# KiCad board 0xcb-static.kicad_pcb
title: Static; date: 2021-05-27; rev: 1.0; company: 0xCB; note: Conor Burns
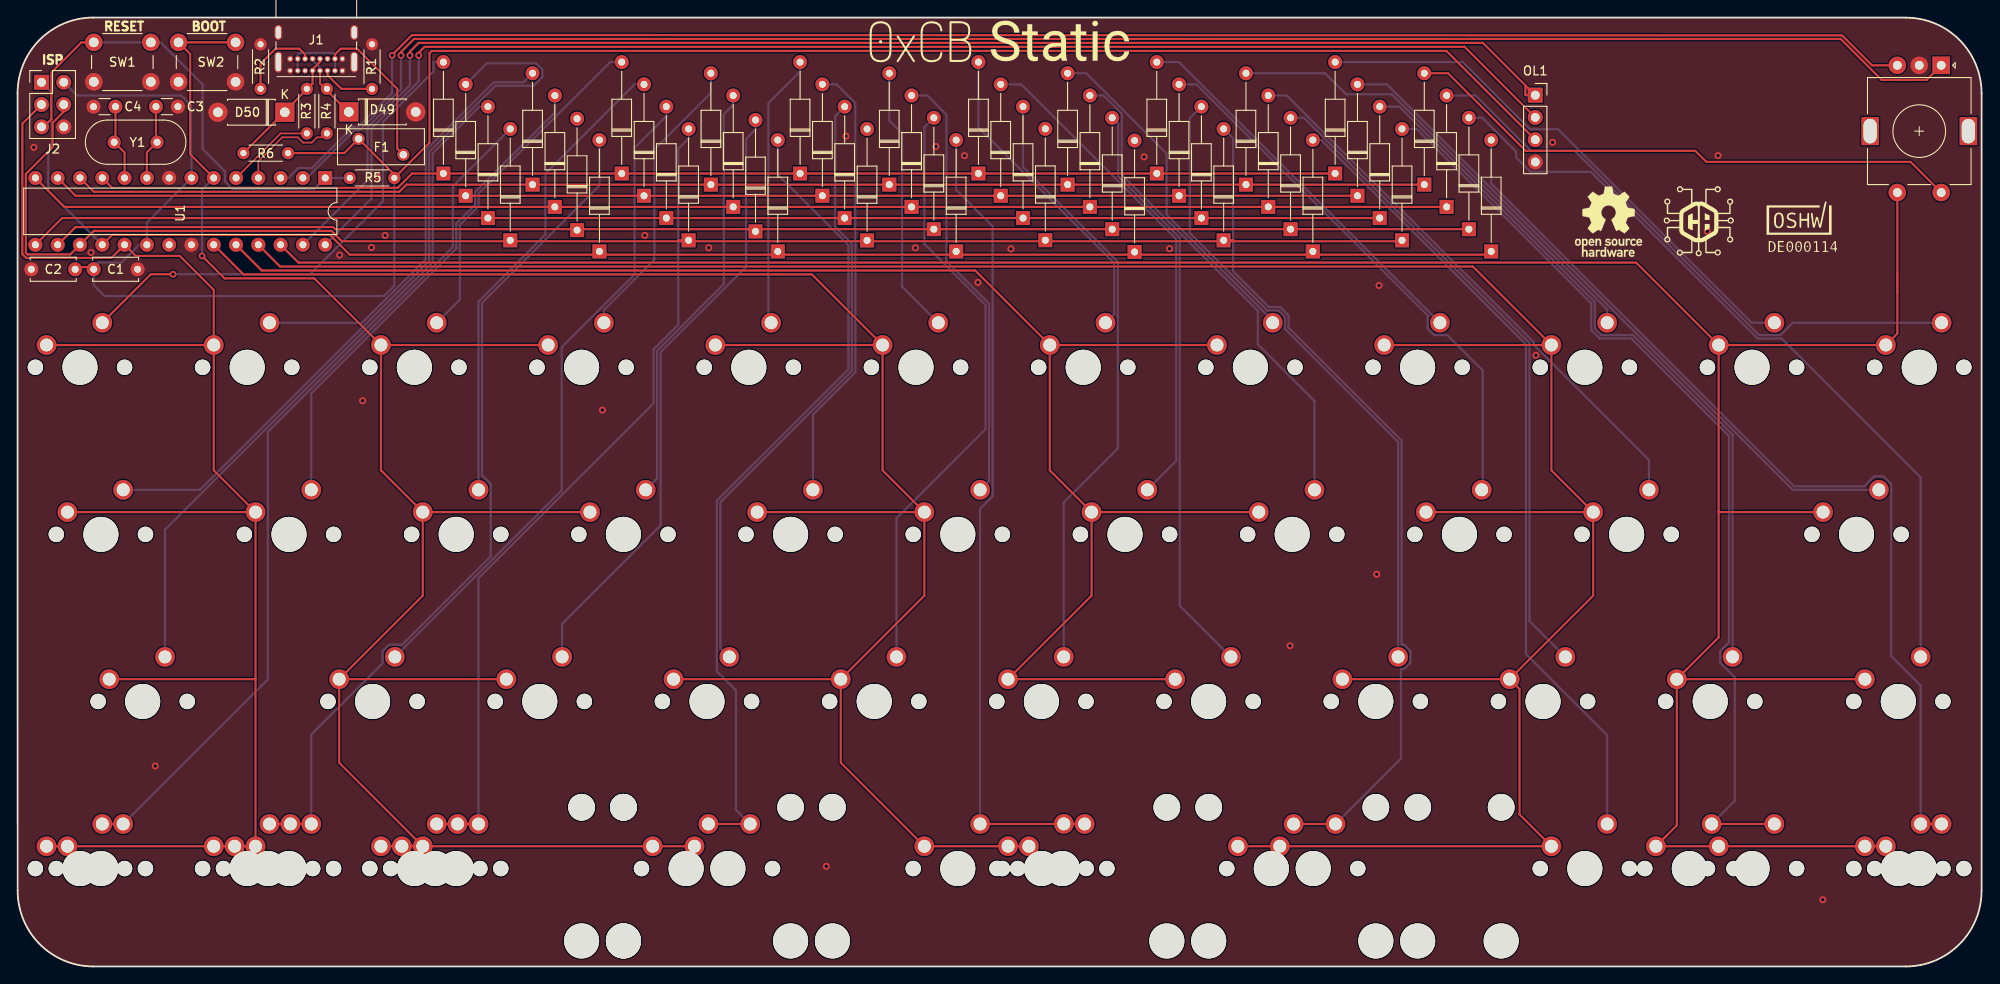
[diagram p0: board, top side]
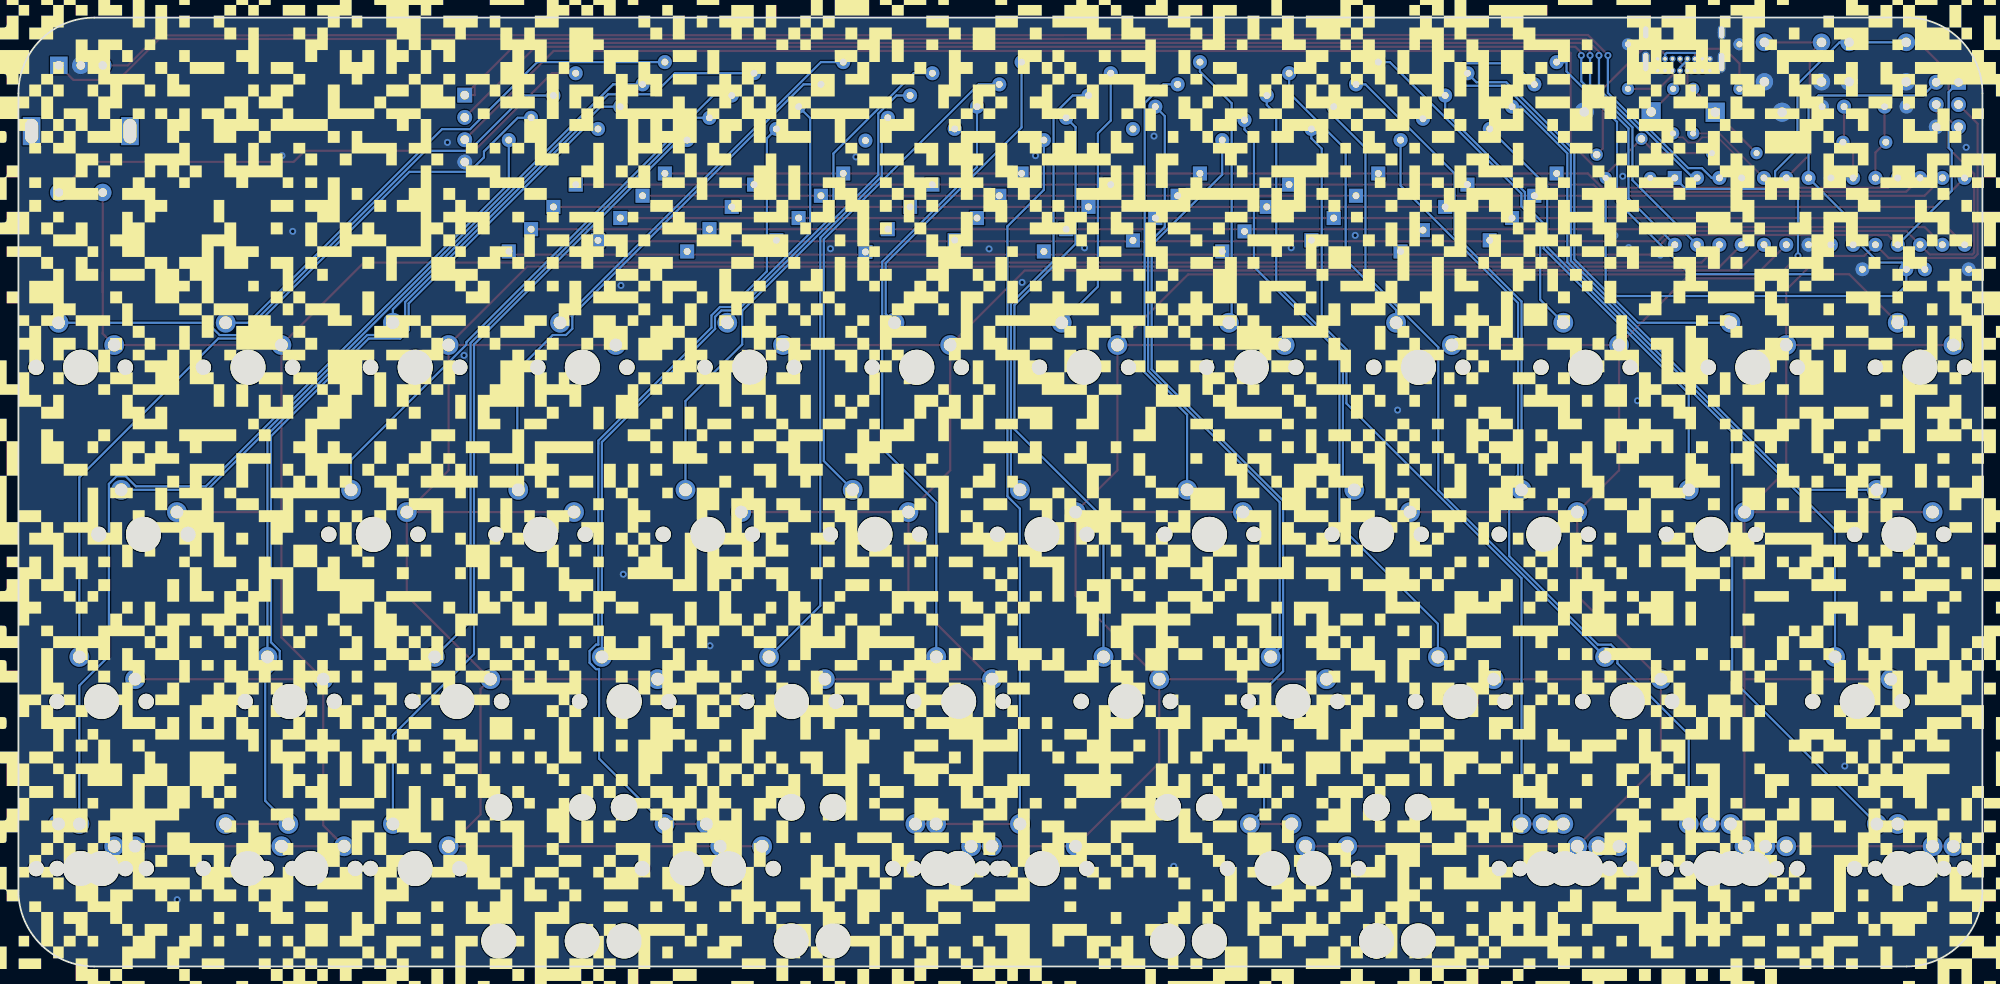
[diagram p1: board, bottom side, seen from below]

Outline 223.76 x 108.19 mm; copper layers: Top, Bottom. Coordinates in mm from the lower left corner of the outline.
Outline path: 0,99.56 arc(2.53,105.66) 8.64,108.19 215.13,108.18 arc(221.23,105.65) 223.76,99.55 223.76,8.64 arc(221.23,2.53) 215.13,0 8.65,0 arc(2.54,2.53) 0.01,8.64 0,99.56
Stack: Top 0.035mm / dielectric 1.51mm FR4 er 4.5 / Bottom 0.035mm

## Placement (name value [footprint] x y rotation side)
C1  0.1uF  [C_Disc_D5.0mm_W2.5mm_P5.00mm]  8.68 79.49 0 top
C2  0.1uF  [C_Disc_D5.0mm_W2.5mm_P5.00mm]  6.56 79.49 180 top
C3  20pF  [C_Disc_D3.0mm_W1.6mm_P2.50mm]  18.27 98.03 180 top
C4  20pF  [C_Disc_D3.0mm_W1.6mm_P2.50mm]  8.66 98.03 0 top
D1  1N4148  [D_DO-35_SOD27_P12.70mm_Horizontal]  48.51 90.41 90 top
D2  1N4148  [D_DO-35_SOD27_P12.70mm_Horizontal]  58.67 89.14 90 top
D3  1N4148  [D_DO-35_SOD27_P12.70mm_Horizontal]  68.83 90.41 90 top
D4  1N4148  [D_DO-35_SOD27_P12.70mm_Horizontal]  78.99 89.14 90 top
D5  1N4148  [D_DO-35_SOD27_P12.70mm_Horizontal]  89.15 90.41 90 top
D6  1N4148  [D_DO-35_SOD27_P12.70mm_Horizontal]  99.31 89.14 90 top
D7  1N4148  [D_DO-35_SOD27_P12.70mm_Horizontal]  109.47 90.41 90 top
D8  1N4148  [D_DO-35_SOD27_P12.70mm_Horizontal]  119.63 89.14 90 top
D9  1N4148  [D_DO-35_SOD27_P12.70mm_Horizontal]  129.79 90.41 90 top
D10  1N4148  [D_DO-35_SOD27_P12.70mm_Horizontal]  139.95 89.14 90 top
D11  1N4148  [D_DO-35_SOD27_P12.70mm_Horizontal]  150.11 90.41 90 top
D12  1N4148  [D_DO-35_SOD27_P12.70mm_Horizontal]  160.27 89.14 90 top
D13  1N4148  [D_DO-35_SOD27_P12.70mm_Horizontal]  51.05 87.87 90 top
D14  1N4148  [D_DO-35_SOD27_P12.70mm_Horizontal]  61.21 86.6 90 top
D15  1N4148  [D_DO-35_SOD27_P12.70mm_Horizontal]  71.37 87.87 90 top
D16  1N4148  [D_DO-35_SOD27_P12.70mm_Horizontal]  81.53 86.6 90 top
D17  1N4148  [D_DO-35_SOD27_P12.70mm_Horizontal]  91.69 87.87 90 top
D18  1N4148  [D_DO-35_SOD27_P12.70mm_Horizontal]  101.85 86.6 90 top
D19  1N4148  [D_DO-35_SOD27_P12.70mm_Horizontal]  112.01 87.87 90 top
D20  1N4148  [D_DO-35_SOD27_P12.70mm_Horizontal]  122.17 86.6 90 top
D21  1N4148  [D_DO-35_SOD27_P12.70mm_Horizontal]  132.33 87.87 90 top
D22  1N4148  [D_DO-35_SOD27_P12.70mm_Horizontal]  142.49 86.6 90 top
D23  1N4148  [D_DO-35_SOD27_P12.70mm_Horizontal]  152.65 87.87 90 top
D24  1N4148  [D_DO-35_SOD27_P12.70mm_Horizontal]  162.81 86.6 90 top
D25  1N4148  [D_DO-35_SOD27_P12.70mm_Horizontal]  53.59 85.33 90 top
D26  1N4148  [D_DO-35_SOD27_P12.70mm_Horizontal]  63.74 83.96 90 top
D27  1N4148  [D_DO-35_SOD27_P12.70mm_Horizontal]  73.91 85.33 90 top
D28  1N4148  [D_DO-35_SOD27_P12.70mm_Horizontal]  84.07 83.81 90 top
D29  1N4148  [D_DO-35_SOD27_P12.70mm_Horizontal]  94.23 85.33 90 top
D30  1N4148  [D_DO-35_SOD27_P12.70mm_Horizontal]  104.39 84.06 90 top
D31  1N4148  [D_DO-35_SOD27_P12.70mm_Horizontal]  114.55 85.33 90 top
D32  1N4148  [D_DO-35_SOD27_P12.70mm_Horizontal]  124.71 84.06 90 top
D33  1N4148  [D_DO-35_SOD27_P12.70mm_Horizontal]  134.87 85.33 90 top
D34  1N4148  [D_DO-35_SOD27_P12.70mm_Horizontal]  145.03 84.06 90 top
D35  1N4148  [D_DO-35_SOD27_P12.70mm_Horizontal]  155.19 85.33 90 top
D36  1N4148  [D_DO-35_SOD27_P12.70mm_Horizontal]  165.35 84.06 90 top
D37  1N4148  [D_DO-35_SOD27_P12.70mm_Horizontal]  56.13 82.79 90 top
D38  1N4148  [D_DO-35_SOD27_P12.70mm_Horizontal]  66.29 81.52 90 top
D39  1N4148  [D_DO-35_SOD27_P12.70mm_Horizontal]  76.45 82.79 90 top
D40  1N4148  [D_DO-35_SOD27_P12.70mm_Horizontal]  86.61 81.52 90 top
D41  1N4148  [D_DO-35_SOD27_P12.70mm_Horizontal]  96.78 82.79 90 top
D42  1N4148  [D_DO-35_SOD27_P12.70mm_Horizontal]  106.93 81.52 90 top
D43  1N4148  [D_DO-35_SOD27_P12.70mm_Horizontal]  117.09 82.81 90 top
D44  1N4148  [D_DO-35_SOD27_P12.70mm_Horizontal]  127.26 81.47 90 top
D45  1N4148  [D_DO-35_SOD27_P12.70mm_Horizontal]  137.41 82.79 90 top
D46  1N4148  [D_DO-35_SOD27_P12.70mm_Horizontal]  147.57 81.52 90 top
D47  1N4148  [D_DO-35_SOD27_P12.70mm_Horizontal]  157.73 82.79 90 top
D48  1N4148  [D_DO-35_SOD27_P12.70mm_Horizontal]  167.89 81.52 90 top
D49  1N4729  [D_DO-41_SOD81_P7.62mm_Horizontal]  37.74 97.44 0 top
D50  1N4729  [D_DO-41_SOD81_P7.62mm_Horizontal]  30.44 97.4 180 top
F1  500mA  [Fuse_BelFuse_0ZRE0025FF_L9.6mm_W3.8mm]  43.95 92.56 180 top
G***  LOGO  [oshwa]  202.97 84.32 0 top
J1  USB_C_Receptacle_USB2.0  [USB_C_Receptacle_GCT_USB4085]  37.01 102.14 180 top
J2  AVR-ISP-6  [PinHeader_2x03_P2.54mm_Vertical]  2.73 100.81 0 top
L1  font1  [svg2mod]  102.87 105.44 0 top
L2  font2  [svg2mod]  118.76 105.53 0 top
L3  -  [OSHW-Logo_7.5x8mm_SilkScreen]  181.26 84.91 0 top
L4  LOGO  [logo]  191.54 84.96 0 top
L5  LOGO  [back]  111.1 52.33 180 bottom
MX1  MX-NoLED  [MXOnly-1U-NoLED]  7.11 68.32 0 top
MX2  MX-NoLED  [MXOnly-1U-NoLED]  26.16 68.32 0 top
MX3  MX-NoLED  [MXOnly-1U-NoLED]  45.21 68.32 0 top
MX4  MX-NoLED  [MXOnly-1U-NoLED]  64.26 68.32 0 top
MX5  MX-NoLED  [MXOnly-1U-NoLED]  83.31 68.32 0 top
MX6  MX-NoLED  [MXOnly-1U-NoLED]  102.36 68.32 0 top
MX7  MX-NoLED  [MXOnly-1U-NoLED]  121.41 68.32 0 top
MX8  MX-NoLED  [MXOnly-1U-NoLED]  140.46 68.32 0 top
MX9  MX-NoLED  [MXOnly-1U-NoLED]  159.51 68.32 0 top
MX10  MX-NoLED  [MXOnly-1U-NoLED]  178.56 68.32 0 top
MX11  MX-NoLED  [MXOnly-1U-NoLED]  197.61 68.32 0 top
MX12  EC11  [RotaryEncoder_Alps_EC11E-Switch_Vertical_H20mm]  219.16 102.74 270 top
MX13  MX-NoLED  [MXOnly-1.25U-NoLED]  9.49 49.27 0 top
MX14  MX-NoLED  [MXOnly-1U-NoLED]  30.92 49.27 0 top
MX15  MX-NoLED  [MXOnly-1U-NoLED]  49.97 49.27 0 top
MX16  MX-NoLED  [MXOnly-1U-NoLED]  69.02 49.27 0 top
MX17  MX-NoLED  [MXOnly-1U-NoLED]  88.07 49.27 0 top
MX18  MX-NoLED  [MXOnly-1U-NoLED]  107.12 49.27 0 top
MX19  MX-NoLED  [MXOnly-1U-NoLED]  126.17 49.27 0 top
MX20  MX-NoLED  [MXOnly-1U-NoLED]  145.22 49.27 0 top
MX21  MX-NoLED  [MXOnly-1U-NoLED]  164.27 49.27 0 top
MX22  MX-NoLED  [MXOnly-1U-NoLED]  183.32 49.27 0 top
MX23  MX-NoLED  [MXOnly-1.75U-NoLED]  209.52 49.27 0 top
MX24  MX-NoLED  [MXOnly-1U-NoLED]  216.66 68.32 0 top
MX25  MX-NoLED  [MXOnly-1.75U-NoLED]  14.26 30.22 0 top
MX26  MX-NoLED  [MXOnly-1U-NoLED]  40.45 30.22 0 top
MX27  MX-NoLED  [MXOnly-1U-NoLED]  59.5 30.22 0 top
MX28  MX-NoLED  [MXOnly-1U-NoLED]  78.55 30.22 0 top
MX29  MX-NoLED  [MXOnly-1U-NoLED]  97.6 30.22 0 top
MX30  MX-NoLED  [MXOnly-1U-NoLED]  116.65 30.22 0 top
MX31  MX-NoLED  [MXOnly-1U-NoLED]  135.7 30.22 0 top
MX32  MX-NoLED  [MXOnly-1U-NoLED]  154.75 30.22 0 top
MX33  MX-NoLED  [MXOnly-1U-NoLED]  173.8 30.22 0 top
MX34  MX-NoLED  [MXOnly-1U-NoLED]  192.85 30.22 0 top
MX35  MX-NoLED  [MXOnly-1.25U-NoLED]  214.28 30.22 0 top
MX36  MX-NoLED  [MXOnly-1U-NoLED]  7.11 11.17 0 top
MX36_1  MX-NoLED  [MXOnly-1.25U-NoLED]  9.49 11.17 0 top
MX37  MX-NoLED  [MXOnly-1U-NoLED]  26.16 11.17 0 top
MX37_1  MX-NoLED  [MXOnly-1.25U-NoLED]  28.54 11.17 0 top
MX37_2  MX-NoLED  [MXOnly-1U-NoLED]  30.92 11.17 0 top
MX38  MX-NoLED  [MXOnly-1U-NoLED]  45.21 11.17 0 top
MX38_1  MX-NoLED  [MXOnly-1.25U-NoLED]  47.59 11.17 0 top
MX38_2  MX-NoLED  [MXOnly-1U-NoLED]  49.97 11.17 0 top
MX39  MX-NoLED  [MXOnly-2.75U-NoLED]  80.93 11.17 0 top
MX39_1  MX-NoLED  [MXOnly-2.25U-NoLED]  76.17 11.17 0 top
MX40  MX-NoLED  [MXOnly-1U-NoLED]  107.12 11.17 0 top
MX40_1  MX-NoLED  [MXOnly-1U-NoLED]  116.66 11.18 0 top
MX40_2  6.25U  [MXOnly-6.25U-NoLED]  119.03 11.17 0 top
MX41  MX-NoLED  [MXOnly-2.25U-NoLED]  147.61 11.17 0 top
MX41_1  MX-NoLED  [MXOnly-2.75U-NoLED]  142.84 11.16 0 top
MX42  MX-NoLED  [MXOnly-1U-NoLED]  178.56 11.17 0 top
MX43  MX-NoLED  [MXOnly-1U-NoLED]  197.61 11.17 0 top
MX43_1  MX-NoLED  [MXOnly-1.25U-NoLED]  190.47 11.17 0 top
MX44  MX-NoLED  [MXOnly-1U-NoLED]  216.66 11.17 0 top
MX44_1  MX-NoLED  [MXOnly-1.25U-NoLED]  214.28 11.17 0 top
OL1  OLED  [PinSocket_1x04_P2.54mm_Vertical]  172.91 99.35 0 top
R1  5.1K  [R_Axial_DIN0204_L3.6mm_D1.6mm_P5.08mm_Horizontal]  40.39 105.15 270 top
R2  5.1K  [R_Axial_DIN0204_L3.6mm_D1.6mm_P5.08mm_Horizontal]  27.69 100.07 90 top
R3  75  [R_Axial_DIN0204_L3.6mm_D1.6mm_P5.08mm_Horizontal]  32.96 94.99 90 top
R4  75  [R_Axial_DIN0204_L3.6mm_D1.6mm_P5.08mm_Horizontal]  35.24 100.07 270 top
R5  10k  [R_Axial_DIN0204_L3.6mm_D1.6mm_P5.08mm_Horizontal]  37.85 89.91 0 top
R6  1.5k  [R_Axial_DIN0204_L3.6mm_D1.6mm_P5.08mm_Horizontal]  30.81 92.74 180 top
SW1  RESET  [SW_PUSH_6mm_H5mm]  8.69 105.36 0 top
SW2  BOOT  [SW_PUSH_6mm_H5mm]  18.34 105.36 0 top
U1  ATmega328-P  [DIP-28_W7.62mm]  35.05 89.91 270 top
Y1  16MHz  [Crystal_HC49-4H_Vertical]  11.01 93.98 0 top

## Library data of the parts
C1 C2 = -: Part Nb.: C277965
C3 C4 = -: Part Nb.: C254096
D1-D48 = -: Part Nb.: C14538; Field5: K
D49 D50 = -: Part Nb.: C2532
F1 = -: Part Nb.: C268799
J1 = -: Part Nb.: 2073-USB4085-GF-ACT-ND
J2 = -: Part Nb.: -
MX1-MX44 OL1 = -: Part Nb.: amz
R1 R2 = -: Part Nb.: C58676
R3 R4 = -: Part Nb.: C713897
R5 = -: Part Nb.: C58673
R6 = -: Part Nb.: C433494
SW1 SW2 = -: Part Nb.: C127509
U1 = -: Part Nb.: C613508
Y1 = -: Part Nb.: C16212

## Footprints (pads in the part's own frame, mm; a bottom-side part is the same pattern mirrored in y, then rotated)
C_Disc_D3.0mm_W1.6mm_P2.50mm
  round 1.6 hole 0.8: 1(0,0) 2(2.5,0)
C_Disc_D5.0mm_W2.5mm_P5.00mm
  round 1.6 hole 0.8: 1(0,0) 2(5,0)
Crystal_HC49-4H_Vertical
  round 1.5 hole 0.8: 1(0,0) 2(4.88,0)
D_DO-35_SOD27_P12.70mm_Horizontal
  rect 1.6x1.6 hole 0.8: 1(0,0)
  oval 1.6x1.6 hole 0.8: 2(12.7,0)
D_DO-41_SOD81_P7.62mm_Horizontal
  rect 2.2x2.2 hole 1.1: 1(0,0)
  oval 2.2x2.2 hole 1.1: 2(7.62,0)
DIP-28_W7.62mm
  rect 1.6x1.6 hole 0.8: 1(0,0)
  oval 1.6x1.6 hole 0.8: 2(0,-2.54) 3(0,-5.08) 4(0,-7.62) 5(0,-10.16) 6(0,-12.7) 7(0,-15.24) 8(0,-17.78) 9(0,-20.32) 10(0,-22.86) 11(0,-25.4) 12(0,-27.94) 13(0,-30.48) 14(0,-33.02) 15(7.62,-33.02) 16(7.62,-30.48) 17(7.62,-27.94) 18(7.62,-25.4) 19(7.62,-22.86) 20(7.62,-20.32) 21(7.62,-17.78) 22(7.62,-15.24) 23(7.62,-12.7) 24(7.62,-10.16) 25(7.62,-7.62) 26(7.62,-5.08) 27(7.62,-2.54) 28(7.62,0)
Fuse_BelFuse_0ZRE0025FF_L9.6mm_W3.8mm
  round 1.4 hole 0.85: 1(0,0) 2(5.1,-1.8)
MXOnly-1.25U-NoLED
  round 1.75 hole 1.75 unplated: (-5.08,0) (5.08,0)
  round 3.988 hole 3.988 unplated: (0,0)
  round 2.25 hole 1.47: 1(-3.81,2.54) 2(2.54,5.08)
MXOnly-1.75U-NoLED
  round 1.75 hole 1.75 unplated: (-5.08,0) (5.08,0)
  round 3.988 hole 3.988 unplated: (0,0)
  round 2.25 hole 1.47: 1(-3.81,2.54) 2(2.54,5.08)
MXOnly-1U-NoLED
  round 1.75 hole 1.75 unplated: (-5.08,0) (5.08,0)
  round 3.988 hole 3.988 unplated: (0,0)
  round 2.25 hole 1.47: 1(-3.81,2.54) 2(2.54,5.08)
MXOnly-2.25U-NoLED
  round 3.048 hole 3.048 unplated: (-11.906,6.985) (11.906,6.985)
  round 3.988 hole 3.988 unplated: (-11.906,-8.255) (0,0) (11.906,-8.255)
  round 1.75 hole 1.75 unplated: (-5.08,0) (5.08,0)
  round 2.25 hole 1.47: 1(-3.81,2.54) 2(2.54,5.08)
MXOnly-2.75U-NoLED
  round 3.048 hole 3.048 unplated: (-11.906,6.985) (11.906,6.985)
  round 3.988 hole 3.988 unplated: (-11.906,-8.255) (0,0) (11.906,-8.255)
  round 1.75 hole 1.75 unplated: (-5.08,0) (5.08,0)
  round 2.25 hole 1.47: 1(-3.81,2.54) 2(2.54,5.08)
MXOnly-6.25U-NoLED
  round 3.048 hole 3.048 unplated: (-50,6.985) (50,6.985)
  round 3.988 hole 3.988 unplated: (-50,-8.255) (0,0) (50,-8.255)
  round 1.75 hole 1.75 unplated: (-5.08,0) (5.08,0)
  round 2.25 hole 1.47: 1(-3.81,2.54) 2(2.54,5.08)
PinHeader_2x03_P2.54mm_Vertical
  rect 1.7x1.7 hole 1: 1(0,0)
  oval 1.7x1.7 hole 1: 2(2.54,0) 3(0,-2.54) 4(2.54,-2.54) 5(0,-5.08) 6(2.54,-5.08)
PinSocket_1x04_P2.54mm_Vertical
  rect 1.7x1.7 hole 1: 1(0,0)
  oval 1.7x1.7 hole 1: 2(0,-2.54) 3(0,-5.08) 4(0,-7.62)
R_Axial_DIN0204_L3.6mm_D1.6mm_P5.08mm_Horizontal
  round 1.4 hole 0.7: 1(0,0)
  oval 1.4x1.4 hole 0.7: 2(5.08,0)
RotaryEncoder_Alps_EC11E-Switch_Vertical_H20mm
  rect 2x2 hole 1: A(0,0)
  round 2 hole 1: B(0,-5) C(0,-2.5) S1(14.5,-5) S2(14.5,0)
  rect 3.2x2 hole 2.8x1.5: MP(7.5,3.1) MP(7.5,-8.1)
SW_PUSH_6mm_H5mm
  round 2 hole 1.1: 1(0,0) 1(6.5,0) 2(0,-4.5) 2(6.5,-4.5)
USB_C_Receptacle_GCT_USB4085
  round 0.7 hole 0.4: A1(0,0) A4(0.85,0) A5(1.7,0) A6(2.55,0) A7(3.4,0) A8(4.25,0) A9(5.1,0) A12(5.95,0) B1(5.95,-1.35) B4(5.1,-1.35) B5(4.25,-1.35) B6(3.4,-1.35) B7(2.55,-1.35) B8(1.7,-1.35) B9(0.85,-1.35) B12(0,-1.35)
  oval 0.9x2.4 hole 0.6x2.1: S1(-1.35,-0.98) S1(7.3,-0.98)
  oval 0.9x1.7 hole 0.6x1.4: S1(-1.35,-4.36) S1(7.3,-4.36)

## Nets
+5V: C1.1 C2.1 F1.2 J2.2 OL1.3 R5.2 R6.1 U1.7 U1.20
GND: C1.2 C2.2 C3.1 C4.1 D49.2 D50.2 J1.A1 J1.A12 J1.B1 J1.B12 J1.S1 J2.6 MX12.C OL1.4 R1.1 R2.2 SW1.2 SW2.2 U1.8 U1.22
COL0: J2.3 MX1.1 MX2.1 MX13.1 MX14.1 MX25.1 MX36.1 MX36_1.1 MX37.1 MX37_1.1 MX37_2.1 U1.19
COL1: MX3.1 MX4.1 MX15.1 MX16.1 MX26.1 MX27.1 MX38.1 MX38_1.1 MX38_2.1 MX39.1 MX39_1.1 SW2.1 U1.6
COL2: MX5.1 MX6.1 MX17.1 MX18.1 MX28.1 MX29.1 MX40.1 MX40_1.1 MX40_2.1 U1.23
COL3: MX7.1 MX8.1 MX19.1 MX20.1 MX30.1 MX31.1 U1.24
COL4: MX9.1 MX10.1 MX21.1 MX22.1 MX32.1 MX33.1 MX41.1 MX41_1.1 MX42.1 U1.25
COL5: MX11.1 MX12.S1 MX23.1 MX24.1 MX34.1 MX35.1 MX43.1 MX43_1.1 MX44.1 MX44_1.1 U1.26
D+: R4.2 U1.4
D-: R3.1 U1.5
EA: MX12.A U1.2
EB: MX12.B U1.3
ROW0: D1.1 D3.1 D5.1 D7.1 D9.1 D11.1 U1.11
ROW1: D2.1 D4.1 D6.1 D8.1 D10.1 D12.1 U1.12
ROW2: D13.1 D15.1 D17.1 D19.1 D21.1 D23.1 U1.13
ROW3: D14.1 D16.1 D18.1 D20.1 D22.1 D24.1 U1.14
ROW4: D25.1 D27.1 D29.1 D31.1 D33.1 D35.1 U1.15
ROW5: D26.1 D28.1 D30.1 D32.1 D34.1 D36.1 U1.16
ROW6: D37.1 D39.1 D41.1 D43.1 D45.1 D47.1 J2.4 U1.17
ROW7: D38.1 D40.1 D42.1 D44.1 D46.1 D48.1 J2.1 U1.18
RST: J2.5 R5.1 SW1.1 U1.1
SCL: OL1.2 U1.28
SDA: OL1.1 U1.27
Net-(C3-Pad2): C3.2 U1.9 Y1.2
Net-(C4-Pad2): C4.2 U1.10 Y1.1
Net-(D1-Pad2): D1.2 MX1.2
Net-(D2-Pad2): D2.2 MX2.2
Net-(D3-Pad2): D3.2 MX3.2
Net-(D4-Pad2): D4.2 MX4.2
Net-(D5-Pad2): D5.2 MX5.2
Net-(D6-Pad2): D6.2 MX6.2
Net-(D7-Pad2): D7.2 MX7.2
Net-(D8-Pad2): D8.2 MX8.2
Net-(D9-Pad2): D9.2 MX9.2
Net-(D10-Pad2): D10.2 MX10.2
Net-(D11-Pad2): D11.2 MX11.2
Net-(D12-Pad2): D12.2 MX12.S2
Net-(D13-Pad2): D13.2 MX13.2
Net-(D14-Pad2): D14.2 MX14.2
Net-(D15-Pad2): D15.2 MX15.2
Net-(D16-Pad2): D16.2 MX16.2
Net-(D17-Pad2): D17.2 MX17.2
Net-(D18-Pad2): D18.2 MX18.2
Net-(D19-Pad2): D19.2 MX19.2
Net-(D20-Pad2): D20.2 MX20.2
Net-(D21-Pad2): D21.2 MX21.2
Net-(D22-Pad2): D22.2 MX22.2
Net-(D23-Pad2): D23.2 MX23.2
Net-(D24-Pad2): D24.2 MX24.2
Net-(D25-Pad2): D25.2 MX25.2
Net-(D27-Pad2): D27.2 MX26.2
Net-(D28-Pad2): D28.2 MX27.2
Net-(D29-Pad2): D29.2 MX28.2
Net-(D30-Pad2): D30.2 MX29.2
Net-(D31-Pad2): D31.2 MX30.2
Net-(D32-Pad2): D32.2 MX31.2
Net-(D33-Pad2): D33.2 MX32.2
Net-(D34-Pad2): D34.2 MX33.2
Net-(D35-Pad2): D35.2 MX34.2
Net-(D36-Pad2): D36.2 MX35.2
Net-(D37-Pad2): D37.2 MX36.2 MX36_1.2
Net-(D38-Pad2): D38.2 MX37.2 MX37_1.2 MX37_2.2
Net-(D39-Pad2): D39.2 MX38.2 MX38_1.2 MX38_2.2
Net-(D40-Pad2): D40.2 MX39.2 MX39_1.2
Net-(D41-Pad2): MX41_1.2
Net-(D42-Pad2): D42.2 MX40.2 MX40_1.2 MX40_2.2
Net-(D45-Pad2): D45.2 MX41.2
Net-(D46-Pad2): D46.2 MX42.2
Net-(D47-Pad2): D47.2 MX43.2 MX43_1.2
Net-(D48-Pad2): D48.2 MX44.2 MX44_1.2
Net-(D49-Pad1): D49.1 J1.A6 J1.B6 R4.1
Net-(D50-Pad1): D50.1 J1.A7 J1.B7 R3.2 R6.2
Net-(F1-Pad1): F1.1 J1.A4 J1.A9 J1.B4 J1.B9
Net-(J1-PadA5): J1.A5 R1.2
Net-(J1-PadB5): J1.B5 R2.1

Pads without a net: D26 2; D41 2; D43 2; D44 2; J1 A8 B8; MX12 MP; U1 21

## Via types
v1: diameter 0.8, hole 0.4, Top to Bottom, 34 vias

## Routing (per net, layer and track width the routed paths; a pad name or vN(x,y) marks a point on that pad's centre or on a via; arc(x,y) is an arc through that point)
+5V: length 254.6
  Top w0.25: R6.1 37.23,92.74 F1.2 42.93,90.29 R5.2 46.93,93.91 46.93,104.13 47.18,104.38 162.79,104.38 172.91,94.27 OL1.3 ; 8.42,79.75 8.68,79.75 ; 8.42,79.75 C1.1 ; 8.42,79.75 6.82,79.75 ; 6.82,79.75 6.56,79.75 ; 6.82,79.75 C2.1
  Bottom w0.25: 42.93,90.29 R5.2 42.93,77.63 41.74,76.44 9.91,76.44 8.68,77.67 C1.1 8.68,79.75 9.18,80.25 11.82,80.25 13.86,82.29 U1.20 14.73,84.83 U1.7 19.81,98.15 18.66,99.3 6.77,99.3 J2.2
GND:
  vias: v1(1.85,93.4) v1(8.36,81.41) v1(15.68,22.85) v1(36.69,81.12) v1(39.31,64.51) v1(40.31,81.98) v1(40.98,90.1) v1(41.87,83.36) v1(66.63,63.44) v1(71.46,83.36) v1(78.75,81.95) v1(92.14,11.42) v1(94.38,94.68) v1(102.29,81.94) v1(104.62,93.5) v1(107.89,92.45) v1(109.41,78) v1(113.17,81.82) v1(128.34,92.31) v1(131.24,81.84) v1(144.97,36.57) v1(154.85,44.72) v1(155.12,77.64) v1(172.99,69.68) v1(174.89,93.96) v1(192.51,83.82) v1(193.74,92.45) v1(205.68,7.61)
COL0: length 189.1
  Top w0.25: MX13.1 MX14.1 ; MX14.1 27.11,32.76 ; MX14.1 22.35,56.57 MX2.1 ; 27.11,32.76 MX37_2.1 MX37_1.1 MX37.1 MX36_1.1 MX36.1 ; 27.11,32.76 MX25.1 ; MX2.1 22.35,77.14 18.48,81.02 13.46,81.02 U1.19 10.69,80.79 0.97,80.79 0.54,81.21 0.54,96.09 J2.3 ; MX2.1 MX1.1
COL1: length 217.6
  Top w0.25: MX3.1 41.4,56.57 MX15.1 ; MX3.1 33.8,78.46 23.58,78.46 v1(21.02,81.02) ; MX3.1 MX4.1 ; MX15.1 MX16.1 ; MX15.1 46.16,42.28 MX26.1 ; U1.6 19.66,92.59 19.66,104.04 SW2.1 ; 18.32,105.36 18.29,105.4 ; 18.32,105.36 SW2.1 ; 18.32,105.36 SW2.1 ; SW2.1 SW2.1 ; MX38.1 MX38_1.1 MX38_2.1 ; MX38_2.1 MX39_1.1 MX39.1 ; MX38_2.1 36.64,23.23 MX26.1 ; MX26.1 MX27.1
  Bottom w0.25: v1(21.02,81.02) 21.02,88.57 U1.6
COL2: length 217
  Top w0.25: MX18.1 103.31,42.28 MX29.1 ; MX18.1 MX17.1 ; MX18.1 98.55,56.57 MX6.1 ; MX6.1 90.5,78.9 25.73,78.9 U1.23 ; MX6.1 MX5.1 ; MX40_1.1 112.85,13.71 ; 112.85,13.71 MX40_2.1 ; 112.85,13.71 MX40.1 93.79,23.23 MX29.1 ; MX28.1 MX29.1
COL3: length 198.6
  Top w0.25: U1.24 27.82,79.35 109.1,79.35 MX7.1 ; MX7.1 MX8.1 ; MX7.1 117.6,56.57 MX19.1 ; MX19.1 MX20.1 ; MX19.1 122.36,42.28 MX30.1 MX31.1
COL4: length 310
  Top w0.25: MX21.1 MX22.1 ; MX22.1 174.75,56.57 MX10.1 ; MX22.1 179.51,42.28 MX33.1 ; MX10.1 165.8,79.8 29.91,79.8 U1.25 ; MX10.1 MX9.1 ; MX33.1 171.11,31.63 171.11,17.34 MX42.1 139.03,13.71 ; MX33.1 MX32.1
COL5: length 330
  Top w0.25: 187.85,14.9 189.04,16.09 189.04,32.76 ; 187.85,14.9 MX43_1.1 ; 187.85,14.9 MX43_1.1 ; 214.16,76.89 214.16,79.19 ; 214.16,76.89 214.16,72.17 MX24.1 MX11.1 ; 214.16,76.89 214.16,76.89 MX12.S1 ; MX11.1 184.4,80.25 32,80.25 U1.26 ; MX11.1 193.8,70.07 ; MX11.1 193.8,70.07 ; 189.04,32.76 MX35.1 ; 189.04,32.76 193.8,37.52 193.8,51.87 ; 193.8,70.07 193.8,51.87 ; 193.8,51.87 193.87,51.81 MX23.1 ; MX44.1 MX44_1.1 MX43.1 MX43_1.1
D+: length 11.8
  Top w0.2: 35.05,94.99 34.6,94.54 34.12,94.54 33.52,93.94 32.52,93.94 31.92,94.54 30.16,94.54 27.43,91.81 U1.4
  Top w0.25: R4.2 35.02,94.76 34.83,94.76
D-: length 10.2
  Top w0.2: U1.5 29.97,94.99 R3.1 33.02,94.99
EA: length 198.3
  Top w0.25: v1(43.69,103.88) 43.69,104.27 45.17,105.75 207.71,105.75 212.38,101.08 217.5,101.08 MX12.A
  Bottom w0.25: U1.2 32.96,89.91 38.4,95.35 38.99,95.35 43.69,100.05 v1(43.69,103.88)
EB: length 194.9
  Top w0.25: v1(42.67,103.88) 42.67,103.93 44.94,106.2 207.71,106.16 207.87,106.16 211.28,102.74 MX12.B
  Bottom w0.25: v1(42.67,103.88) 42.67,99.59 38.82,95.74 38.23,95.74 33.52,91.03 31.97,91.03 30.85,89.91 U1.3
ROW0: length 141.6
  Top w0.25: D11.1 D9.1 D7.1 D5.1 D3.1 D1.1 44.95,90.41 43.32,88.78 10.78,88.78 U1.11
ROW1: length 154.2
  Top w0.25: D12.1 D10.1 D8.1 D6.1 D4.1 D2.1 44.32,89.14 43.5,88.33 8.69,88.33 U1.12
ROW2: length 148.9
  Top w0.25: U1.13 6.6,87.87 D13.1 D15.1 D17.1 D19.1 D21.1 D23.1
ROW3: length 162.2
  Top w0.25: D24.1 D22.1 D20.1 D18.1 D16.1 D14.1 5.33,86.6 U1.14
ROW4: length 154.4
  Top w0.25: U1.15 5.08,85.33 D25.1 D27.1 D29.1 D31.1 D33.1 D35.1
ROW5: length 162.3
  Top w0.25: 84.07,84.06 D30.1 D32.1 D34.1 D36.1 ; 84.07,84.06 84.07,83.94 ; 84.07,84.06 63.85,84.06 ; 84.07,83.94 84.07,83.94 D28.1 84.07,83.94 ; U1.16 6.6,84.31 35.96,84.31 36.21,84.06 63.85,84.06 ; 63.85,84.06 D26.1
ROW6: length 180.2
  Top w0.25: 75.22,82.68 75.33,82.79 D39.1 ; 75.22,82.68 96.68,82.68 ; 75.22,82.68 56.03,82.68 ; 138.65,82.68 117.09,82.68 ; 138.65,82.68 138.54,82.79 D45.1 ; 138.65,82.68 157.63,82.68 D47.1 ; 117.09,82.68 96.68,82.68 ; 117.09,82.68 D43.1 ; J2.4 5.27,97.46 3.99,96.19 3.99,93.43 0.94,90.38 0.94,81.39 1.14,81.19 6.01,81.19 U1.17 8.69,83.86 35.78,83.86 36.95,82.68 56.03,82.68 ; 96.68,82.68 D41.1 ; 56.03,82.68 D37.1
ROW7: length 184
  Top w0.25: D44.1 127.26,81.17 127.25,81.16 ; U1.18 10.78,83.41 35.59,83.41 37.84,81.16 66.29,81.16 ; 66.29,81.34 D38.1 66.29,81.34 66.29,81.34 ; 66.29,81.34 66.29,81.16 ; 86.61,81.34 D40.1 86.61,81.34 86.61,81.34 ; 86.61,81.34 86.61,81.16 ; 147.57,81.16 147.57,81.34 ; 147.57,81.16 127.25,81.16 ; 147.57,81.16 167.53,81.16 D48.1 ; 147.57,81.34 D46.1 147.57,81.34 147.57,81.34 ; 86.61,81.16 66.29,81.16 ; 86.61,81.16 106.93,81.16 ; 106.93,81.34 D42.1 106.93,81.34 106.93,81.34 ; 106.93,81.34 106.93,81.16 ; 106.93,81.16 127.25,81.16
  Bottom w0.25: J2.1 3.85,99.69 3.85,93.35 3.5,93 3.5,88.44 U1.18
RST: length 54.7
  Top w0.25: SW1.1 7.27,105.36 3.85,101.94 3.85,96.61 2.97,95.73 J2.5
  Bottom w0.25: R5.1 U1.1 33.78,88.64 24.5,88.64 23.62,89.51 23.62,90.67 21.08,93.21 21.08,100.57 16.29,105.36 SW1.1 SW1.1
SCL: length 157.4
  Top w0.25: 45.97,103.88 v1(45.7,103.88) 45.7,104.18 46.38,104.85 164.86,104.85 172.85,96.87 172.91,96.81 OL1.2
  Bottom w0.25: U1.28 40.33,87.56 40.33,95.55 45.7,100.93 v1(45.7,103.88)
SDA: length 160.4
  Top w0.25: OL1.1 171.79,99.35 171.79,100.46 ; 171.79,100.46 172.91,99.34 ; 171.79,100.46 166.95,105.3 45.69,105.3 44.7,104.31 v1(44.7,103.88)
  Bottom w0.25: U1.27 39.88,89.65 39.88,95.67 44.7,100.5 v1(44.7,103.88)
Net-(C3-Pad2): length 8.7
  Top w0.25: C3.2 15.77,94.1 Y1.2 14.73,92.82 U1.9
Net-(C4-Pad2): length 8.7
  Top w0.25: C4.2 11.16,94.12 Y1.1 12.19,92.8 U1.10
Net-(D1-Pad2): length 57.1
  Top w0.25: v1(17.71,78.92) 15.18,78.92 MX1.2
  Bottom w0.25: D1.2 47.39,103.11 47.39,102.05 41.63,96.29 41.63,87.23 33.32,78.92 v1(17.71,78.92)
Net-(D2-Pad2): length 49
  Bottom w0.25: D2.2 57.65,100.82 54.26,100.82 46.5,93.06 46.5,80.63 46.18,80.32 39.26,73.4 MX2.2
Net-(D3-Pad2): length 39.2
  Bottom w0.25: MX3.2 50.39,76.03 50.39,84.55 52.53,86.69 52.53,88.12 67.52,103.11 D3.2
Net-(D4-Pad2): length 33.5
  Bottom w0.25: D4.2 78.99,99.61 72.56,93.17 72.56,80.59 66.8,74.84 MX4.2
Net-(D5-Pad2): length 31.3
  Bottom w0.25: D5.2 89.15,102.04 85.54,98.42 85.54,73.71 MX5.2
Net-(D6-Pad2): length 30.8
  Bottom w0.25: MX6.2 100.78,77.52 100.78,94.98 99.31,96.45 D6.2
Net-(D7-Pad2): length 36.5
  Bottom w0.25: MX7.2 124.95,74.4 124.95,80.19 109.47,95.67 D7.2
Net-(D8-Pad2): length 39.4
  Bottom w0.25: MX8.2 143,73.62 130.91,85.71 130.91,92.69 121.76,101.84 D8.2
Net-(D9-Pad2): length 44.6
  Bottom w0.25: MX9.2 132.33,103.11 D9.2
Net-(D10-Pad2): length 53.8
  Bottom w0.25: D10.2 148.97,101.84 151.37,99.44 156.58,99.44 181.1,74.92 MX10.2
Net-(D11-Pad2): length 62.3
  Bottom w0.25: D11.2 164.65,103.11 172.3,95.47 175.5,95.47 197.57,73.4 MX11.2
Net-(D12-Pad2): length 64.5
  Top w0.25: D12.2 162.98,101.84 171.82,93 191.14,93 192.4,91.74 215.67,91.74 MX12.S2
Net-(D13-Pad2): length 85.4
  Bottom w0.25: D13.2 53.45,102.97 59.07,102.97 59.78,102.26 59.78,101.4 58.8,100.42 54.44,100.42 46.89,92.87 46.89,80.47 46.35,79.92 20.77,54.35 MX13.2
Net-(D14-Pad2): length 56.5
  Bottom w0.25: MX14.2 33.46,65.34 49.99,81.87 49.99,84.71 52.13,86.85 52.13,88.29 61.21,97.37 D14.2
Net-(D15-Pad2): length 54.7
  Bottom w0.25: D15.2 70.3,100.57 60.14,90.41 60.14,83.45 52.51,75.82 MX15.2
Net-(D16-Pad2): length 49.1
  Bottom w0.25: MX16.2 72.86,55.64 72.86,70.21 80.46,77.81 80.46,97.15 81.53,98.23 D16.2
Net-(D17-Pad2): length 50.7
  Bottom w0.25: MX17.2 90.61,62.92 95.45,67.75 95.45,82.58 95.44,82.59 95.44,98.45 93.32,100.57 D17.2
Net-(D18-Pad2): length 50.1
  Bottom w0.25: D18.2 103.65,99.3 105.83,97.12 105.83,80.43 110.69,75.57 110.69,55.37 MX18.2
Net-(D19-Pad2): length 57.2
  Bottom w0.25: D19.2 114.36,100.57 124.31,90.62 124.31,90.61 132.01,82.92 132.01,57.64 MX19.2
Net-(D20-Pad2): length 56.5
  Bottom w0.25: MX20.2 147.76,64.47 141.3,70.93 141.3,74.75 125.8,90.25 125.8,97.23 123.73,99.3 D20.2
Net-(D21-Pad2): length 62.7
  Bottom w0.25: D21.2 134.31,100.57 160.73,74.15 160.65,74.07 160.65,72.72 161.38,72 162.89,72 166.92,67.96 166.92,54.46 MX21.2
Net-(D22-Pad2): length 64.2
  Bottom w0.25: MX22.2 185.86,57.76 172.73,70.89 172.73,71.18 144.61,99.3 D22.2
Net-(D23-Pad2): length 78.6
  Bottom w0.25: D23.2 156.01,100.57 202.24,54.35 MX23.2
Net-(D24-Pad2): length 68.3
  Bottom w0.25: D24.2 166.11,99.3 172.41,93 177.4,93 198.41,71.99 200.84,71.99 202.24,73.4 MX24.2
Net-(D25-Pad2): length 78.5
  Bottom w0.25: MX25.2 16.8,49.8 47.29,80.3 47.29,92.7 52.62,98.03 D25.2
Net-(D27-Pad2): length 75.5
  Bottom w0.25: MX26.2 61.99,54.3 61.99,70.6 70.3,78.9 70.3,93.34 73.91,96.96 D27.2
Net-(D28-Pad2): length 70.3
  Bottom w0.25: MX27.2 62.04,39.07 73.26,50.29 73.26,70.04 83,79.78 83,94.36 84.07,95.43 D28.2
Net-(D29-Pad2): length 70.6
  Bottom w0.25: 81.09,35.3 80.07,36.31 80.07,52.94 95.05,67.92 95.05,82.42 93.16,84.31 93.16,96.96 D29.2
Net-(D30-Pad2): length 69
  Bottom w0.25: D30.2 104.39,96.76 103.32,95.69 103.32,82.38 110.29,75.41 110.29,61.26 100.14,51.11 100.14,35.3
Net-(D31-Pad2): length 69.8
  Bottom w0.25: D31.2 114.55,91.15 125.35,80.35 125.35,59.06 119.19,52.9 MX30.2
Net-(D32-Pad2): length 67.1
  Bottom w0.25: D32.2 125.4,96.07 125.4,90.09 132.4,83.09 132.4,41.13 MX31.2
Net-(D33-Pad2): length 73.9
  Bottom w0.25: D33.2 133.55,96.71 133.55,83.63 142.39,74.79 143.67,74.79 144.4,74.07 144.4,72.72 144.38,72.7 157.29,59.79 MX32.2
Net-(D34-Pad2): length 75.3
  Bottom w0.25: D34.2 146.57,96.76 172.25,71.08 172.25,39.38 MX33.2
Net-(D35-Pad2): length 82.8
  Bottom w0.25: D35.2 157.42,98.03 179.7,75.75 179.7,72.72 180.43,72 184.02,72 195.39,60.63 MX34.2
Net-(D36-Pad2): length 89.3
  Bottom w0.25: D36.2 166.88,96.76 170.73,92.92 170.73,92.25 172.37,90.6 179.23,90.6 198.24,71.59 201,71.59 216.82,55.77 MX35.2
Net-(D37-Pad2): length 99.9
  Top w0.25: MX36.2 MX36_1.2
  Bottom w0.25: MX36_1.2 28.51,32.73 28.51,60.96 49.59,82.03 49.59,88.95 D37.2
Net-(D38-Pad2): length 98
  Top w0.25: MX37.2 MX37_1.2 MX37_2.2
  Bottom w0.25: D38.2 66.29,89.04 52.91,75.66 52.91,56.02 53.91,55.02 53.91,46.78 43.82,36.69 42.32,36.69 41.59,35.97 41.59,34.57 33.46,26.44 MX37_2.2
Net-(D39-Pad2): length 93.9
  Top w0.25: MX38.2 MX38_1.2 MX38_2.2
  Bottom w0.25: MX38_2.2 52.51,44.26 72.46,64.2 72.46,70.37 75.27,73.18 75.27,93.24 76.45,94.42 D39.2
Net-(D40-Pad2): length 93.8
  Top w0.25: MX39_1.2 MX39.2
  Bottom w0.25: MX39.2 81.84,17.87 81.84,31.48 79.67,33.65 79.67,53.11 94.65,68.09 94.65,82.25 86.61,90.29 D40.2
Net-(D42-Pad2): length 92.2
  Top w0.25: 119.19,16.25 MX40_1.2 ; 119.19,16.25 MX40.2 ; 119.19,16.25 MX40_2.2
  Bottom w0.25: D42.2 106.93,88.55 111.09,84.39 111.09,53.61 109.66,52.19 MX40.2
Net-(D45-Pad2): length 97.5
  Top w0.25: 150.15,16.25 145.38,16.25
  Bottom w0.25: D45.2 138.49,94.42 138.49,79.26 142.56,75.19 143.84,75.19 144.8,74.23 144.8,72.84 157.69,59.96 157.69,59.62 157.69,36.69 157.96,36.69 158.69,35.97 158.69,34.62 157.96,33.9 157.6,33.9 157.6,23.7 MX41.2
Net-(D46-Pad2): length 92.4
  Bottom w0.25: MX42.2 181.1,26.37 171.85,35.61 171.85,70.92 148.55,94.22 D46.2
Net-(D47-Pad2): length 107.1
  Top w0.25: MX43.2 MX43_1.2
  Bottom w0.25: MX43_1.2 195.64,18.88 195.64,32.97 193.99,34.62 193.99,35.97 194.99,36.97 194.99,60.46 183.86,71.6 180.26,71.6 179.3,72.56 179.3,75.59 159.4,95.49 D47.2
Net-(D48-Pad2): length 108.2
  Top w0.25: MX44_1.2 MX44.2
  Bottom w0.25: D48.2 167.89,89.25 202.4,54.74 210.39,54.74 211.54,55.9 212.58,55.9 213.46,55.02 213.46,35.39 216.82,32.03 MX44_1.2
Net-(D49-Pad1): length 8
  Top w0.25: 35.24,99.87 R4.1 ; 35.24,99.87 37.68,97.44 D49.1 ; 35.24,99.87 34.46,100.66 J1.A6
  Bottom w0.25: J1.A6 34.46,102.49 33.61,103.34 J1.B6
Net-(D50-Pad1): length 14.5
  Top w0.25: 30.42,97.4 30.48,97.46 30.48,97.53 32.96,100 ; 30.42,97.4 D50.1 ; 30.42,97.4 30.39,97.4 R6.2 ; 32.96,100 33.61,100.66 J1.A7 33.61,102.28 34.46,103.13 J1.B7 ; 32.96,100 R3.2
Net-(F1-Pad1): length 25.6
  Top w0.25: F1.1 43.25,93.26 43.25,100.07 38.68,104.64 36.82,104.64 36.16,103.98 J1.B9
  Bottom w0.25: J1.A4 J1.B9 36.16,103.98 35.98,104.16 32.09,104.16 31.91,103.98 J1.B4 J1.A9
Net-(J1-PadA5): length 6.2
  Top w0.25: J1.A5 35.31,101.64 36.89,100.07 R1.2
Net-(J1-PadB5): length 9.4
  Top w0.25: J1.B5 32.76,103.98 32.1,104.64 29.39,104.64 27.69,102.94 R2.1

## Copper pours and planes (outline as drawn; the poured copper is in the pictures)
GND on Top: 230.06,-6.11 -6.92,-6.11 -6.92,114.8 230.06,114.8
GND on Bottom: 237.68,-15.76 -12.51,-15.25 -12.51,121.15 237.68,121.15

## Text on the board
F.Silkscreen: ISP | RESET | BOOT
